# Altium PCB Portier.PcbDoc (continued)
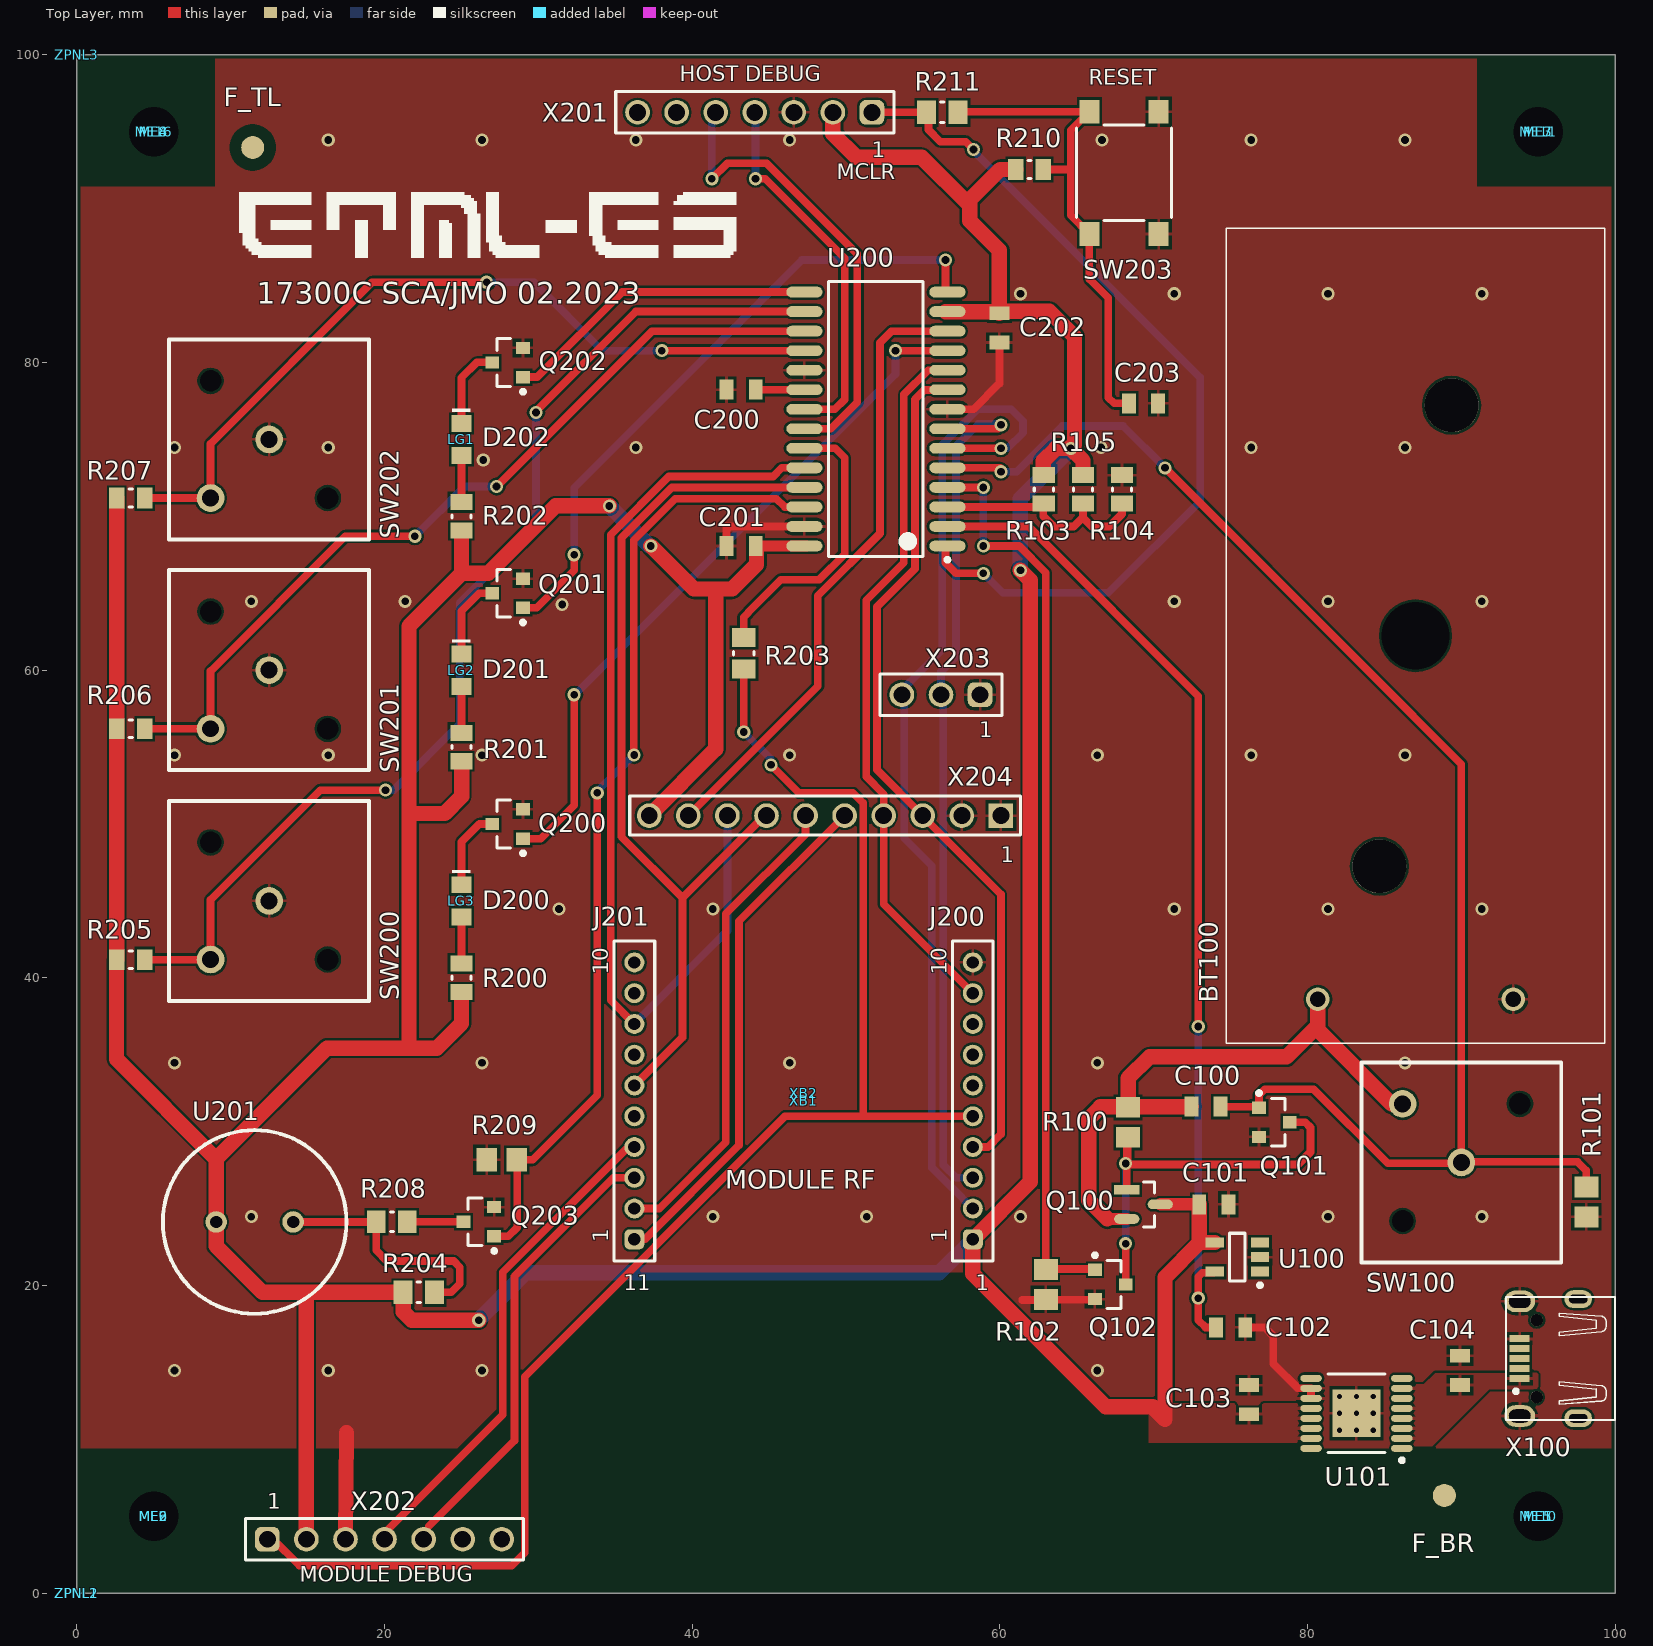
[diagram p0: Top Layer view]
## Footprints (in the part's own frame and the unit in brackets; to place one, negate y for a bottom-side part, rotate by r counter-clockwise, add the part's x,y. Pads: shape width x height; smd on the part's side, far side on the other; paste and mask are expansions set on the pad) (continued)
BUZZER [mm] "Buzzer d_12mm"
  round 1.4 hole 0.8: 1(-2.5,0) 2(2.5,0)
  silkscreen extent -5.97,-5.97 5.97,5.97, body extent -5.97,-5.71 5.97,5.71, height 6.5
DBV0005A_M [mm] "SOT23, 5-Leads, Body 3.05x1.75mm, Pitch 0.95mm, IPC Low Density"
  rect 1.2x0.65 smd: 1(-1.475,0.95) 2(-1.475,0) 3(-1.475,-0.95) 4(1.475,-0.95) 5(1.475,0.95)
  silkscreen extent -1.6,-1.55 0.5,1.95, body extent -1.42,-1.46 1.42,1.46, height 1.08
"FACE ARRIERE" [mm] "Panneau de face arriere"
  body extent 0,-100 100,0, height 9
"FACE AV DOOR" [mm] "Panel de face avant gravee (door)"
  body extent 0,0 100,100, height 15.9
"FACE AVANT BELL" [mm] "Panel de face avant gravee (door)"
  body extent 0,0 100,100, height 15.9
FID-150-300 [mm] "Fiducial 1.5/3.0"
  round 1.5 smd paste-100 mask+0.75: 1(0,0)
  Top Layer pour cut-out: 0,-1.5 -0.574,-1.386 -1.061,-1.061 -1.386,-0.574 -1.5,0 -1.5,0 -1.386,0.574 -1.061,1.061 -0.574,1.386 0,1.5 0,1.5 0.574,1.386 1.061,1.061 1.386,0.574 1.5,0 1.5,0 1.386,-0.574 1.061,-1.061 0.574,-1.386 0,-1.5
FP-527AG-IPC_A [mm]
  rect 1.636x0.625 smd paste+0 mask+0: 1(-1.09,0.95)
  rrect100% 1.636x0.625 smd paste+0 mask+0: 2(-1.09,-0.95) 3(1.09,0)
  silkscreen extent 0,-1.46 0.7,1.46, body extent -2.41,-1.96 2.41,1.96, height 0.25
INTR-IRLML2402TRPBF-3_V [mm] "SOT23, 3-Leads, Body 3.05x1.4mm, Pitch 0.95mm"
  rect 0.9x0.8 smd: 1(-1,0.95) 2(-1,-0.95) 3(1,0)
  silkscreen extent -1.12,-1.55 0.7,2.02, body extent -0.7,-1.52 0.7,1.53, height 1.11
"LIGHT GUIDE LFC050" [mm] "Light huide pour panneau"
  body extent -2.5,-2.63 2.5,2.37, height 17.27
"M3X06 SCREW HEIGHT_8" [mm] "M3x05 a h=8mm"
  body extent -2.8,-2.8 2.8,2.8, height 9
"M3X06 SCREW HEIGHT_16" [mm] "M3x05 a h=15.9mm"
  body extent -2.8,-2.8 2.8,2.8, height 15.9
M3X06_MF_971060365 [mm]
  body extent -3.46,-3 3.46,3, height 6
M3X14_FF_970140365 [mm]
  body extent -3.46,-3 3.46,3, height 14
MCHP-SOIC-SO28_M [mm] "SOIC, 28-Leads, Body 17.9x7.5mm, Pitch 1.27mm, IPC Low Density"
  oval 2.35x0.7 smd: 1(-4.65,8.255) 2(-4.65,6.985) 3(-4.65,5.715) 4(-4.65,4.445) 5(-4.65,3.175) 6(-4.65,1.905) 7(-4.65,0.635) 8(-4.65,-0.635) 9(-4.65,-1.905) 10(-4.65,-3.175) 11(-4.65,-4.445) 12(-4.65,-5.715) 13(-4.65,-6.985) 14(-4.65,-8.255) 15(4.65,-8.255) 16(4.65,-6.985) 17(4.65,-5.715) 18(4.65,-4.445) 19(4.65,-3.175) 20(4.65,-1.905) 21(4.65,-0.635) 22(4.65,0.635) 23(4.65,1.905) 24(4.65,3.175) 25(4.65,4.445) 26(4.65,5.715) 27(4.65,6.985) 28(4.65,8.255)
  silkscreen extent -4.78,-8.95 3.08,9.28, body extent -3.75,-8.95 3.75,8.95, height 2.65
MICRO_USB [mm] "WR-COM_USB_Micro Type B_Horizontal_SMT Micro Type B Horizontal SMT - 3A current at Pin1 & Pin 5 - with Pegs and THT shielding Pins  - T&R Packaging"
  rect 0.45x1.3 smd: 1(-1.3,0) 2(-0.65,0) 3(0,0) 4(0.65,0) 5(1.3,0)
  oval 1.4x2 hole 0.85 slot 1.4 at 90 deg: Z1(-3.725,0) Z2(3.725,0)
  oval 1.15x1.8 hole 0.55 slot 1.2 at 90 deg: Z4(-3.875,-3.8) Z4(3.875,-3.8)
  round 0.8 hole 0.8 unplated: ""(-2.5,-1.1) ""(2.5,-1.1)
  silkscreen extent -4,-6.2 4,0.9, body extent -4,-6.25 4,0.35, height 2.67
MODULESRXTX868MHZ_1623 [mm] "Header"
  body extent -12.7,-10.5 12.7,31.9, height 7.55
RESC2013X50X30ML20T20 [mm] "Chip Resistor, 2-Leads, Body 2.00x1.25mm, IPC Low Density"
  rect 1.25x1.55 smd: 1(-1.025,0) 2(1.025,0)
  silkscreen extent -0.1,-0.67 0.1,0.67, body extent -1.1,-0.72 1.1,0.72, height 0.5
RESC2013X50X30NL20T20 [mm] "Chip Resistor, 2-Leads, Body 2.00x1.25mm, IPC Medium Density"
  rect 1.05x1.45 smd: 1(-0.925,0) 2(0.925,0)
  silkscreen extent -0.1,-0.63 0.1,0.63, body extent -1.1,-0.72 1.1,0.72, height 0.5
RESC2013X60X35ML10T20 [mm] "Chip Resistor, 2-Leads, Body 2.1x1.35mm, IPC Low Density"
  rect 1.2x1.45 smd: 1(-1,0) 2(1,0)
  silkscreen extent -0.1,-0.63 0.1,0.63, body extent -1.05,-0.68 1.05,0.67, height 0.6
RESC2013X60X35NL10T20 [mm] "Chip Resistor, 2-Leads, Body 2.1x1.35mm, IPC Medium Density"
  rect 1x1.35 smd: 1(-0.9,0) 2(0.9,0)
  silkscreen extent -0.1,-0.58 0.1,0.58, body extent -1.05,-0.68 1.05,0.67, height 0.6
RESC2013X70X40ML20T20 [mm] "Chip Resistor, 2-Leads, Body 2.00x1.25mm, IPC Low Density"
  rect 1.35x1.55 smd: 1(-0.975,0) 2(0.975,0)
  body extent -1.1,-0.72 1.1,0.72, height 0.7
"Tact-sw 1241.1022" [mm]
  round 1.8 hole 1.1: 1(0,0) 2(-3.81,3.81)
  round 0 hole 1.4 unplated: 16(-3.81,-3.81) 16(3.81,3.81)
  silkscreen extent -6.5,-6.5 6.5,6.5, body extent -6.32,-6.32 6.32,6.32, height 17
TSOP65P640X110_HS-17N [mm] "TSOP, 16-Leads, Body 5.00x4.40mm, Pitch 0.65mm, Thermal Pad 3.10x3.10mm, IPC Medium Density"
  oval 1.4x0.45 smd: 1(-2.95,2.275) 2(-2.95,1.625) 3(-2.95,0.975) 4(-2.95,0.325) 5(-2.95,-0.325) 6(-2.95,-0.975) 7(-2.95,-1.625) 8(-2.95,-2.275) 9(2.95,-2.275) 10(2.95,-1.625) 11(2.95,-0.975) 12(2.95,-0.325) 13(2.95,0.325) 14(2.95,0.975) 15(2.95,1.625) 16(2.95,2.275)
  rect 3.1x3.1 smd: EP(0,0)
  silkscreen extent -3.08,-2.55 1.85,3.17, body extent -3.19,-2.55 3.19,2.55, height 1.1
WCAP-CSGP_0805_L2W1.25H0.8_Reflow [mm] "Ceramic Capacitors, body 2x1.25mm"
  rect 0.9x1.3 smd: 1(-0.95,0) 2(0.95,0)
  body extent -1,-0.62 1,0.63, height 0.8
WCAP-CSGP_0805_L2W1.25H1.25 [mm] "Ceramic Capacitors, body 2x1.25mm"
  rect 0.9x1.3 smd: 1(-0.95,0) 2(0.95,0)
  body extent -1,-0.63 1,0.63, height 1.25
WL-SMCW_0805_150080xx75000 [mm] "SMD Mono-color Chip LED, body 2.0x1.25mm"
  rect 1.1x1.3 smd: 1(-1.05,0) 2(1.05,0)
  silkscreen extent -2,-0.6 -1.8,0.6, body extent -1,-0.63 1,0.62, height 0.7
WS-TASV_L6W6H4.3_4301x20438x6 [mm] "SMD Tact Switch, body 6x6mm"
  rect 1.55x1.3 smd: A1(-3.975,2.25) A2(3.975,2.25) B1(-3.975,-2.25) B2(3.975,-2.25)
  silkscreen extent -3.1,-3.1 3.1,3.1, body extent -4.5,-3.1 4.5,3.1, height 4.3
Xbee_3D [mm] "3D d'un module Xbee"
  body extent -12.28,-17.25 12.22,10.65, height 8

## Part data
BT100: library part 2468, "Cylindrical Battery Contacts, Clips, Holders & Springs 2AAA PC MNT HOLDER", Manufacturer_Name="Keystone Electronics", Mouser Part Number=534-2468, Arrow Part Number=2468, Arrow Price/Stock=http://www.arrow.com/en/products/2468/keystone-electronics-corp, Datasheet Link=https://datasheet.datasheetarchive.com/originals/distributors/Datasheets-AE/DSA3AE00005.pdf, Manufacturer_Part_Number=2468, Mouser Price/Stock=https://www.mouser.co.uk/ProductDetail/Keystone-Electronics/2468?qs=3CbvriavsLAoISGi3MywrQ%3D%3D
C100 C101 C102 C201 C202 C203: library part 885012207098, "WCAP-CSGP Multilayer Ceramic Chip Capacitor, General Purpose, size 0805, X7R, 100nF, 50VDC", Capacitance Tolerance=+/-10%, Case/Size Code=0805, Insulation Resistance=5GΩ, Manufacturer="Wurth Elektronik", Operating Temperature Max=125°C, Operating Temperature Min=-55°C, Rated Voltage (DC)=50V, Capacitance=100nF, Category="Multilayer Ceramic Chip Capacitors", Ceramic Type=X7R, ComponentLink1Description="Website Link", ComponentLink1URL=https://www.we-online.com/redexpert/article/885012207098?ad, ComponentLink2Description="Datasheet Link", ComponentLink2URL=https://www.we-online.com/redexpert/spec/885012207098?ad, Dissipation Factor=2.5%, Height=0.8mm, Length=2mm, Manufacturer Part Number=885012207098, Match Code=WCAP-CSGP, Mount="Surface Mount", Packaging="Tape and Reel", Technical Reference=X7R0805104K050DFCT10000, Width=1.25mm
C103 C104: library part 885012207053, "WCAP-CSGP Multilayer Ceramic Chip Capacitor, General Purpose, size 0805, X7R, 4.7µF, 16VDC", Capacitance Tolerance=+/-10%, Case Code (Imperial)=0805, Case Code (Metric)=2012, Insulation Resistance=0.02GΩ, Manufacturer="Wurth Elektronik", Max Operating Temperature="85 degC", Min Operating Temperature="-55 degC", Operating Temperature Max=125°C, Operating Temperature Min=-55°C, PartNumber=GRM21BR61C475KA88L, Rated Voltage (DC)=16V, Tolerance=10%, Voltage Rating="16 V", Capacitance=4.7µF, Case/Size Code=0805, Category="Multilayer Ceramic Chip Capacitors", Ceramic Type=X7R, ComponentLink1Description="Website Link", ComponentLink1URL=https://www.we-online.com/redexpert/article/885012207053?ad, ComponentLink2Description="Datasheet Link", ComponentLink2URL=https://www.we-online.com/redexpert/spec/885012207053?ad, DatasheetVersion=03/2016, Dissipation Factor=10%, Height=1.25mm, Length=2mm, Manufacturer Part Number=885012207053, Match Code=WCAP-CSGP, Mount="Surface Mount", Mounting Technology="Surface Mount", PackageDescription="2-Pin Surface Mount Device, Body 2 x 1.25 mm", PackageReference=0805, Packaging="Tape and Reel", Technical Reference=X7R0805475K016DFCT10000, Voltage Rating (DC)="16 V", Width=1.25mm
C200: library part 885012107014, "WCAP-CSGP Multilayer Ceramic Chip Capacitor, General Purpose, size 0805, X5R, 10µF, 16VDC", Capacitance Tolerance=+/-20%, Case/Size Code=0805, Insulation Resistance=0.01GΩ, Manufacturer="Wurth Elektronik", Operating Temperature Max=85°C, Operating Temperature Min=-55°C, Rated Voltage (DC)=16V, Supplier Part Number 1=1813526, Capacitance=10µF, Category="Multilayer Ceramic Chip Capacitors", Ceramic Type=X5R, ComponentLink1Description="Website Link", ComponentLink1URL=https://www.we-online.com/redexpert/article/885012107014?ad, ComponentLink2Description="Datasheet Link", ComponentLink2URL=https://www.we-online.com/redexpert/spec/885012107014?ad, Dissipation Factor=10%, Height=1.25mm, Length=2mm, Manufacturer Part Number=885012107014, Match Code=WCAP-CSGP, Mount="Surface Mount", Packaging="Tape and Reel", Supplier 1=Rs, Technical Reference=X5R0805106M016DFCT10000, Width=1.25mm
D200 D201 D202: library part 150080VS75000, "WL-SMCW Mono-color Chip LED Waterclear, size 0805, Bright Green, 2V, 140°", Case/Size Code=0805, Emitting Color="Bright Green", Forward Voltage=2V, Manufacturer="Wurth Elektronik", Operating Temperature Max=85°C, Operating Temperature Min=-40°C, Supplier Part Number 1=732-4986-1-ND, Category="Signal LEDs", Chip Technology=AlInGaP, ComponentLink1Description="Website Link", ComponentLink1URL=https://www.we-online.com/redexpert/article/150080VS75000?ad, ComponentLink2Description="Datasheet Link", ComponentLink2URL=https://www.we-online.com/redexpert/spec/150080VS75000?ad, Dominant Wavelength=570nm, Height=0.7mm, Length=2mm, Luminous Intensity=40mcd, Manufacturer Part Number=150080VS75000, Match Code=WL-SMCW, Mount="Surface Mount", Packaging="Tape and Reel", Peak Wavelength=572nm, Supplier 1=Digi-Key, Supplier 2=Mouser, Supplier Part Number 2=710-150080VS75000, Viewing Angle=140°, Width=1.25mm
F_BR F_TL: library part CMP-063-000021-1, "FID 1.5/3.0", Category=Others, IsStocked=False, PN=PN-509779, SubCategory=Fiducials
J200 J201: "WR-PHD Socket Header, THT, Vertical, pitch 2mm, 1 Row, 10P", Contact Resistance=20mΩ, Manufacturer="Wurth Elektronik", Operating Temperature Max=105°C, Operating Temperature Min=-40°C, Rated Current=2A, Withstanding Voltage=500V, Working Voltage=250V, Category="Board-to-Board Connectors", ComponentLink1Description="Website Link", ComponentLink1URL=https://www.we-online.com/redexpert/article/62001011821?ad, ComponentLink2Description="Datasheet Link", ComponentLink2URL=https://www.we-online.com/redexpert/spec/62001011821?ad, Gender="Socket Header", Manufacturer Part Number=62001011821, Match Code=WR-PHD, Mount="Through Hole", Number of Pins=10, Number of Rows=1, Orientation=Vertical, Packaging=Tube, Pitch=2mm
LG1 LG2 LG3: library part "LightPipe LFC050CTP", "Light Guide pour panneau pour Leds"
ME1 ME2 ME3 ME4: "Hexagonal Plastic Spacer Stud, M3x14 F-F", Manufacturer="Wurth Elektronik", Manufacturer Part Number=970140365, Inner Thread=M3, Inner Thread Length=14, Length=14, Wrench=6
ME5 ME6 ME7 ME8: "Hexagonal Plastic Spacer Stud, M3x06 M-F", Manufacturer="Wurth Elektronik", Manufacturer Part Number=971060365, Inner Thread=M3, Inner Thread Length=3, Length=5, Outer Thread=M3, Outer Thread Length=8, Wrench=6
ME9 ME10 ME11 ME12 ME13 ME14 ME15 ME16: library part "M3x06 Countersunk", "M3x06 Coutersunk screw"
MP1: library part 9774030360, "WA-SMSI SMT Steel Spacer with internal Thread, OD 6mm, M3 x 3mm", Manufacturer="Wurth Elektronik", Operating Temperature Max=150°C, Operating Temperature Min=-55°C, Category="SMT Spacers", ComponentLink1Description="Website Link", ComponentLink1URL=https://www.we-online.com/redexpert/article/9774030360?ad, ComponentLink2Description="Datasheet Link", ComponentLink2URL=https://www.we-online.com/redexpert/spec/9774030360?ad, Height=3mm, Inside Diameter=4.2mm, Manufacturer Part Number=9774030360, Match Code=WA-SMSI, Material=Steel, Mount="Surface Mount", Outside Diameter=6mm, Packaging=Bulk, Surface=Tin, Thread Size=M3
Q100: library part CMP-07173-000103-1, "MOSFET P-CH 20V 1.3A SSOT3", Case/Package=TO-236-3, Continuous Drain Current (ID)=1.3A, Current Rating=-1.3A, Drain to Source Breakdown Voltage=-20V, Drain to Source Resistance=200mR, Drain to Source Voltage (Vdss)=20V, Gate to Source Voltage (Vgs)=8V, Input Capacitance=330pF, Max Operating Temperature=150°C, Max Power Dissipation=500mW, Min Operating Temperature=-55°C, Package Quantity=1, Threshold Voltage=-900mV, Contact Plating=Tin, Dual Supply Voltage=-20V, Element Configuration=Single, Fall Time=12ns, Height=0.94mm, Lead Free="Lead Free", Length=2.92mm, Mount="Surface Mount", Nominal Vgs=-900mV, Number of Elements=1, Number of Pins=3, On-State Resistance=200mR, Packaging="Tape and Reel", Power Dissipation=500mW, Radiation Hardening=No, Rds On Max=200mR, REACH SVHC="No SVHC", Rise Time=12ns, Termination=SMD/SMT, Turn-Off Delay Time=16ns, Turn-On Delay Time=7ns, Voltage Rating (DC)=-20V, Weight=0.03g, Width=1.4mm
Q101 Q102 Q200 Q201 Q202 Q203: library part CMP-2000-05155-1, "HEXFET(R) Power MOSFET, N-Channel, 20 V, 1.2 A, 3-Pin SOT-23, RoHS, Tape and Reel", Manufacturer="Infineon Technologies", PackageCase=SOT-23, PartNumber=IRLML2402TRBF, Supplier="Digi-key,Stock ES", Supplier min. qty=1, Supplier PN=IRLML2402PBFCT-ND, Supplier unit price=0.34
R100 R101 R102 R209: library part CMP-2001-04377-1, "100 kOhms ±1% 0.125W, 1/8W Chip Resistor 0805 (2012 Metric) Automotive AEC-Q200 Thick Film", Manufacturer=Panasonic, Part Number=ERJ-6ENF1003V
R103 R104 R105: library part CMP-2001-03688-1, Manufacturer="Vishay Dale", Part Number=CRCW080522K0FKEA
R200 R201 R202: library part CMP-2001-04102-1, "750 ohm, 0.125W, 1%., 0805", Manufacturer="Vishay Dale", Part Number=CRCW0805750KFKEA
R203 R204 R211: library part CMP-1013-00510-2, Manufacturer="Vishay Dale", Part Number=CRCW08051K00FKEA
R205 R206 R207 R210: library part CMP-1659-00013-4, "Chip Resistor, 10 KOhm, +/- 1%, 0.125 W, -55 to 155 degC, 0805 (2012 Metric), RoHS, Tape and Reel", PackageCase=0805, Voltage Rating="150 V", Supplier="Stock ES"
R208: library part CMP-2000-06963-1, "Chip Resistor, 0 Ohm, +/- 5%, 125 mW, -55 to 155 degC, 0805 (2012 Metric), RoHS, Tape and Reel", Case Style=Molded, Manufacturer=Yageo, Operating Temp Range=-55Cto155C, Package / Case=0805, Package Description="2-Pin Surface Mounted Device, Body 2 x 1.25 mm", Power Rating(s)=NotRequiredW, Temperature Coefficient=NotRequired, Construction=Rectangular, Datasheet URL=http://www.yageo.com/documents/recent/PYu-RC_Group_51_RoHS_L_7.pdf, Datasheet Version="Rev. 7, 05/2017", Failure Rate=NotRequired, Manufacturer URL=http://www.yageo.com/, Military Standard=NotRequired, Mounting Technology=SurfaceMount, Package Reference=0805, Packaging=TapeandReel, Product Depth (mm)=1.25mm, Product Height (mm)=0.5mm, Product Length (mm)=2mm, Termination Style=NotRequired, Tolerance (+ or -)=NotRequired, Type=ThickFilm
SW203: "WS-TASV SMT Tact Switch, L6 x W6 x H4.3mm, 160g, SPST-NO, 12V, 50mA", Manufacturer="Wurth Elektronik", Operating Temperature Max=85°C, Operating Temperature Min=-40°C, Rated Current=50mA, Rated Voltage (DC)=12V, Category="Tact Switches", Circuit=SPST-NO, ComponentLink1Description="Website Link", ComponentLink1URL=https://www.we-online.com/redexpert/article/430182043816?ad, ComponentLink2Description="Datasheet Link", ComponentLink2URL=https://www.we-online.com/redexpert/spec/430182043816?ad, Contact Material="Stainless Steel", Contact Plating=Silver, Height=4.3mm, Length=6mm, Manufacturer Part Number=430182043816, Match Code=WS-TASV, Mount="Surface Mount", Operation Force=160g, Packaging="Tape and Reel", Terminal Material="Copper Alloy", Terminal Plating=Silver, Washable=No, Width=6mm
U100: library part CMP-0074-00337-3, "Precision Micropower Low Dropout Voltage Reference, 5-pin SOT-23, Pb-Free", Manufacturer="Texas Instruments", PackageTopMarking=R80B*XTT, PowerWise=Y, ComponentLink1Description=Datasheet, ComponentLink1URL=http://www.ti.com/general/docs/lit/getliterature.tsp?genericPartNumber=LM4125&fileType=pdf, CompType="Voltage Reference IC", DatasheetVersion=Nov-2003, PackageDescription="Molded SOT-23, .115 x .063 x .040 in Body, 5 Lead, .0375 in Pitch", PackageReference=DBV0005A, PackageVersion="revD, Aug-2008", PinCount=5, RevisionNote="Component URLs added", RoHS=Y
U101: "IC REG LINEAR POS ADJ 1A 16TSSOP", Manufacturer="Maxim Integrated", Supplier="Stock ES"
U200: library part CMP-0048-00454-1, "32-bit Microcontroller with Audio and Graphics Interface, USB and Advanced Analog, 40 MHz, 21 I/O, PMP, -40 to 85 degC, 28-pin SOIC (SO28), Tube", Manufacturer=Microchip, ComponentLink1Description="Manufacturer URL", ComponentLink1URL=http://www.microchip.com, ComponentLink2Description=Datasheet, ComponentLink2URL=http://ww1.microchip.com/downloads/en/DeviceDoc/61168E.pdf, ComponentLink3Description="Package Specification", ComponentLink3URL=http://www.microchip.com/stellent/groups/techpub_sg/documents/packagingspec/en012702.pdf, ComponentLink4Description="Product URL", ComponentLink4URL=http://www.microchip.com/PIC32MX130F064B, DatasheetVersion="Rev. E", Mounting Technology="Surface Mount", PackageDescription="28-Lead Plastic Small Outline, 17.9 x 7.5 mm Body, 1.27 mm Pitch", PackageReference=SOIC-SO28, PackageVersion=C04-052C, PartNumber=PIC32MX130F064B-I/SO, Supplier=Digi-key, Supplier PN=PIC32MX130F064B-I/SO-ND
U201: library part BZR, "Buzzer 12mm piezo", Manufacturer="TDK Corporation", PartNumber=PS1240P02BT, Supplier=Digi-key, Supplier min. qty=1, Supplier PN=445-2525-1-ND, Supplier unit price=0.67
X100: library part "WR-Communication Connectors 629105150521", "WR-COM_USB_Micro Type B_Horizontal_SMT", Manufacturer="Würth Elektronik eiSos GmbH", PartNumber=629105150521, Supplier Part Number 1=732-5960-1-ND, Voltage Rating=5V, Supplier=Digi-key, Supplier 1=Digi-Key, Supplier min. qty=1, Supplier PN=732-5960-1-ND, Supplier unit price=2.03
X201 X202: "WR-PHD Pin Header, THT, Vertical, pitch 2.54mm, 1 Row, 7P", Contact Resistance=20mΩ, Manufacturer="Wurth Elektronik", Operating Temperature Max=105°C, Operating Temperature Min=-40°C, Rated Current=3A, Withstanding Voltage=500V, Working Voltage=250V, Category="Board-to-Board Connectors", ComponentLink1Description="Website Link", ComponentLink1URL=https://www.we-online.com/redexpert/article/61300711121?ad, ComponentLink2Description="Datasheet Link", ComponentLink2URL=https://www.we-online.com/redexpert/spec/61300711121?ad, Gender="Pin Header", Manufacturer Part Number=61300711121, Match Code=WR-PHD, Mount="Through Hole", Number of Pins=7, Number of Rows=1, Orientation=Vertical, Packaging=Bag, Pitch=2.54mm
X203: "WR-PHD Pin Header, THT, Vertical, pitch 2.54mm, 1 Row, 3P", Contact Resistance=20mΩ, Manufacturer="Wurth Elektronik", Operating Temperature Max=105°C, Operating Temperature Min=-40°C, Rated Current=3A, Withstanding Voltage=500V, Working Voltage=250V, Category="Board-to-Board Connectors", ComponentLink1Description="Website Link", ComponentLink1URL=https://www.we-online.com/redexpert/article/61300311121?ad, ComponentLink2Description="Datasheet Link", ComponentLink2URL=https://www.we-online.com/redexpert/spec/61300311121?ad, Gender="Pin Header", Manufacturer Part Number=61300311121, Match Code=WR-PHD, Mount="Through Hole", Number of Pins=3, Number of Rows=1, Orientation=Vertical, Packaging=Bag, Pitch=2.54mm
X204: "WR-PHD Pin Header, THT, Vertical, pitch 2.54mm, 1 Row, 10P", Contact Resistance=20mΩ, Manufacturer="Wurth Elektronik", Operating Temperature Max=105°C, Operating Temperature Min=-40°C, Rated Current=3A, Withstanding Voltage=500V, Working Voltage=250V, Category="Board-to-Board Connectors", ComponentLink1Description="Website Link", ComponentLink1URL=https://www.we-online.com/redexpert/article/61301011121?ad, ComponentLink2Description="Datasheet Link", ComponentLink2URL=https://www.we-online.com/redexpert/spec/61301011121?ad, Gender="Pin Header", Manufacturer Part Number=61301011121, Match Code=WR-PHD, Mount="Through Hole", Number of Pins=10, Number of Rows=1, Orientation=Vertical, Packaging=Bag, Pitch=2.54mm
XB1: library part ModulesRxTx868MHz_Empty, "2x Header 2x10 2mm / compatible xBee - sans connexion, avec footprint", PackageCase=XBee, Supplier=Digi-key, Supplier min. qty=1, Supplier PN="2x 3M156413-10-ND", Supplier unit price="2x 0.74"
XB2: "Module Xbee 3D pour BOM et représentation 3D"
ZPNL1: library part "Panel Face Avant (Door)", "Panneau de face avant de porte (Portier electronique)"
ZPNL2: library part "Panel Face Avant (Bell)", "Panneau de face avant de porte (Portier electronique)"
ZPNL3: library part "Panel Face Arriere", "Panneau de face arriere de porte (Portier electronique)"

## Free pads (board coordinates)
  round 1 hole 3.2 unplated: 2(5,5) 3(95,5) 4(95,95) 5(5,95)

## Via types
v1: diameter 0.85, hole 0.5, Top Layer to Bottom Layer, tented both sides, 84 vias
v2: diameter 0.65, hole 0.35, Top Layer to Bottom Layer, tented both sides, 9 vias

## Nets (pads, with @x,y where several pads share a name; then routed paths per layer and width w, separated by ;. In a path a pad name is that pad's centre, name@x,y a point inside that pad or via, vN(x,y) a via of type N, cw(c..) or ccw(c..) an arc to the next point about the centre after c; other vN are vias at no path point)
+VBAT: BT100.1 C100.2 Q100.2 R100.2 SW100.2 | length 40.4
  Top Layer w0.8: 66.99,24.323 Q100.2@68.242,24.323
  Top Layer w1: 66.99,24.323 65.786,25.527 65.786,30.861 66.532,31.607 R100.2@68.326,31.607 ; C100.2 68.342,31.623 68.342,33.477 69.731,34.866 78.636,34.866 80.672,36.902 ; BT100.1 80.672,36.902 ; SW100.2 85.465,31.81 80.672,36.603 80.672,36.902
/MCLR: R211.2 U200.1 X201.1 | length 58.5
  Top Layer w0.5: X201.1 55.361,96.266 55.361,95.134 56.134,94.361 57.785,94.361 v1(58.293,93.853) ; U200.1@56.468,68.072 56.468,66.976 57.15,66.294 v1(58.928,66.294)
  Bottom Layer w0.5: v1(58.293,93.853) 58.44,94 58.44,93.608 73.025,79.023 73.025,70.993 67.056,65.024 60.198,65.024 v1(58.928,66.294)
/MCLR(M): R203.2 U200.23 | length 18.6
  Top Layer w0.5: R203.2@43.355,62.1 43.355,63.45 43.643,63.738 43.643,63.754 45.769,65.879 48.244,65.879 49.911,67.546 49.911,73.817 49.306,74.422 U200.23@47.418,74.422
BZZR: Q203.1 R209.2 U200.26 | length 62.8
  Top Layer w0.5: Q203.1 28.046,23.196 28.62,23.77 R209.2@28.62,28.294 ; R209.2@28.62,28.169 29.64,28.169 30.093,28.622 33.829,32.358 v1(33.829,52.028) ; v1(36.226,54.483) 36.195,54.514 36.195,68.453 38.89,71.148 45.473,71.148 46.009,70.612 U200.26
  Bottom Layer w0.5: v1(33.829,52.028) 33.829,52.117 36.195,54.483 v1(36.226,54.483)
CD(M): J200.4 U200.9 X204.3 | length 56.5
  Top Layer w0.5: U200.9@56.468,78.232 56.449,78.213 55.096,78.213 54.483,77.6 54.483,66.584 52.014,64.115 52.014,53.523 X204.3 54.991,50.514 60.071,45.434 60.071,29.836 59.235,29 J200.4
Connect(M): J201.8 U200.24 X204.8 | length 62.9
  Top Layer w0.5: J201.8 34.698,38.546 34.698,68.813 38.478,72.593 45.275,72.593 45.835,73.152 U200.24
  Bottom Layer w0.5: J201.8 42.291,43.047 X204.8
GND: BT100.2 C101.1 C102.1 C103.1 C104.1 C200.2 C201.1 C202.1 C203.1 J200.10 Q101.2 Q102.2 Q200.2 Q201.2 Q202.2 Q203.2 R101.1 R102.1 R104.1 R209.1 SW200.1 SW201.1 SW202.1 SW203.B1 SW203.B2 U100.2 U101.10 U101.11 U101.EP U200.8 U200.19 U200.27 X100.5 X100.Z1 X100.Z2 X201.3 X202.3 X203.1 X204.1 X204.2 | length 32.7
  Top Layer w0.5: C201.1 42.23,69.342 U200.27@47.418,69.342 ; U200.8@56.468,76.962 58.293,76.962 59.973,78.642 C202.1 ; 61.468,19.05 62.754,19.05 62.881,19.177 62.992,19.066 66.133,19.066 Q102.2 ; SW203.B1 SW203.B1@70.342,88.334 ; C101.1@74.914,25.273 C101.1@74.989,25.273 ; C102.1 77.216,17.272 77.775,16.713 77.775,14.981 ; 77.775,14.92 79.386,13.309 U101.10 U101.11
  Top Layer w1: X202.3 17.526,10.414
  other v1: 6.34,14.473 16.34,14.473 26.34,14.473 66.34,14.473 11.34,24.473 41.34,24.473 51.34,24.473 61.34,24.473 81.34,24.473 91.34,24.473 6.34,34.473 26.34,34.473 46.34,34.473 66.34,34.473 86.34,34.473 31.34,44.473 41.34,44.473 71.34,44.473 81.34,44.473 91.34,44.473 6.34,54.473 16.34,54.473 26.34,54.473 46.34,54.473 66.34,54.473 76.34,54.473 86.34,54.473 31.546,64.267 11.34,64.473 21.34,64.473 71.34,64.473 81.34,64.473 91.34,64.473 26.416,73.66 6.34,74.473 16.34,74.473 36.34,74.473 66.58,74.473 76.34,74.473 86.34,74.473 61.34,84.473 71.34,84.473 81.34,84.473 91.34,84.473 16.34,94.473 26.34,94.473 36.34,94.473 46.34,94.473 66.648,94.473 76.34,94.473 86.34,94.473
  other v2: 82.085,10.584 83.185,10.584 84.285,10.584 82.085,11.684 83.185,11.684 84.285,11.684 82.085,12.784 83.185,12.784 84.285,12.784
GPIO1(M): J201.1 X204.5 | length 33.6
  Top Layer w0.5: J201.1 36.933,23 43.039,29.106 43.039,43.674 X204.5
GPIO2(M): J201.2 X204.6 | length 31.1
  Top Layer w0.5: J201.2 37.857,25 42.18,29.323 42.18,44.156 47.371,49.347 X204.6
LED1: Q200.1 U200.11 | length 45.6
  Top Layer w0.5: Q200.1@29.127,49.05 30.163,49.05 32.326,51.213 v1(32.326,58.404) ; v1(53.213,80.772) U200.11@56.468,80.772
  Bottom Layer w0.5: v1(32.326,58.404) 32.375,58.404 53.213,79.242 v1(53.213,80.772)
LED2: Q201.1 U200.14 | length 42.1
  Top Layer w0.5: Q201.1 29.885,64.05 32.326,66.491 v1(32.326,67.503) ; U200.14@56.468,84.582 v1(56.468,86.661)
  Bottom Layer w0.5: v1(32.326,67.503) 32.326,71.857 47.13,86.661 v1(56.468,86.661)
LED3: Q202.1 U200.15 | length 20.7
  Top Layer w0.5: Q202.1@29,79.06 29.936,79.06 35.458,84.582 U200.15 U200.15@47.418,84.582
LINK(M): J201.6 U200.25 X204.7 | length 59.6
  Top Layer w0.5: J201.6 39.37,36.126 39.37,45.212 ; X204.7 44.704,50.546 39.37,45.212 ; U200.25@47.418,71.882 38.688,71.882 35.4,68.594 35.4,49.182 39.37,45.212
NetC100_1: C100.1 Q101.1 R101.2 SW100.1 U200.5 | length 98
  Top Layer w0.5: U200.5@56.468,73.152 60.016,73.152 60.071,73.097 v1(60.071,72.898) ; v1(70.739,73.152) 83.805,60.086 90,53.891 SW100.1 ; C100.1@74.481,31.623 76.785,31.623 Q101.1 76.851,32.401 77.216,32.766 80.391,32.766 85.217,27.94 89.94,27.94 SW100.1 ; R101.2@98.133,26.435 98.133,27.47 97.552,28.051 96.408,28.051 90.051,28.051 SW100.1
  Bottom Layer w0.5: v1(60.071,72.898) 61.089,72.898 64.062,75.871 68.02,75.871 v1(70.739,73.152)
NetC102_2: C102.2 U100.5 U200.2 | length 65.5
  Top Layer w0.5: U200.2@56.468,69.342 61.87,69.342 72.898,58.314 v1(72.898,36.83) ; U100.5 73.897,20.828 73.152,20.828 72.898,20.574 v1(72.898,19.177) 72.898,17.748 73.374,17.272 C102.2
  Bottom Layer w0.5: v1(72.898,19.177) v1(72.898,36.83)
NetC200_1: C200.1 U200.20 | length 3.5
  Top Layer w0.5: C200.1@44.06,78.213 44.06,78.232 47.418,78.232 U200.20
NetC203_2: C203.2 R210.2 R211.1 SW203.A1 SW203.A2 | length 32.1
  Top Layer w0.5: R211.1@57.161,96.266 57.199,96.304 SW203.A2 64.611,95.093 64.611,92.547 ; R210.2 64.611,92.547 ; C203.2 67.437,77.343 67.056,77.724 67.056,84.201 65.822,85.435 SW203.A1 64.611,89.565 64.611,92.547
NetD200_1: D200.1 Q200.3 | length 5.1
  Top Layer w0.5: D200.1@25,46.209 25,48.831 26.169,50 Q200.3
NetD200_2: D200.2 R200.2 | length 2.7
  Top Layer w0.15: R200.2@25,41.198 R200.2@25.019,41.179
  Top Layer w0.5: R200.2@25,41.198 D200.2@25,43.858
NetD201_1: D201.1 Q201.3 | length 5
  Top Layer w0.5: D201.1 25,63.831 26.169,65 Q201.3@26.769,65
NetD201_2: D201.2 R201.2 | length 3
  Top Layer w0.5: R201.2@25,55.95 D201.2
NetD202_1: D202.1 Q202.3 | length 5.4
  Top Layer w0.5: D202.1 25,79 26.01,80.01 Q202.3@27,80.01
NetD202_2: D202.2 R202.1 | length 3
  Top Layer w0.5: R202.1@25,70.95 D202.2
NetJ200_5: J200.5 R203.1 X202.1 | length 100.2
  Top Layer w0.5: X202.1@12.717,3.662 12.717,3.539 14.478,1.778 28.267,1.778 29.106,2.617 29.106,14.069 46.036,31 51.116,31 ; v1(43.355,55.978) 43.355,60.1 43.465,60.1 R203.1@43.815,59.75 ; v1(45.119,53.848) 46.939,52.028 50.448,52.028 51.116,51.36 51.116,31 ; J200.5 51.116,31
  Bottom Layer w0.5: v1(43.355,55.978) 45.1,54.233 45.1,53.867 v1(45.119,53.848)
NetQ100_1: Q100.1 Q101.3 Q102.3 R100.1 | length 28.4
  Top Layer w0.5: Q102.3 v1(68.183,22.717) ; Q100.1@68.242,26.223 68.242,27.865 v1(68.183,27.924) 68.242,27.983 68.242,29.523 68.326,29.607 68.326,27.865 79.387,27.865 80.199,28.677 80.199,30.269 79.861,30.607 Q101.3
  Bottom Layer w0.5: v1(68.183,22.717) v1(68.183,27.924)
NetQ102_1: Q102.1 R102.2 U200.4 | length 59.5
  Top Layer w0.5: U200.4@56.468,71.882 v1(58.928,71.882) ; v1(58.928,68.072) 61.25,68.072 62.992,66.33 62.992,39.971 62.992,26.475 62.992,21.066 66.133,21.066 Q102.1
  Bottom Layer w0.5: v1(58.928,68.072) v1(58.928,71.882)
NetQ203_3: Q203.3 R208.1 | length 3.6
  Top Layer w0.5: R208.1 Q203.3
NetR103_1: R103.1 R104.2 R105.1 U200.3 | length 14.6
  Top Layer w0.5: U200.3@56.468,70.612 62.592,70.612 R103.1@62.647,70.666 ; R103.1@62.823,70.793 62.823,70.612 62.823,70.022 63.503,69.342 64.806,69.342 65.278,69.814 ; R105.1 65.405,69.908 65.975,69.339 67.131,69.339 67.945,70.153 R104.2
NetR204_1: R204.1 R208.2 U201.2 | length 16.1
  Top Layer w0.5: U201.2 19.459,24.13 19.459,22.285 20.154,21.59 24.491,21.59 24.899,21.182 24.899,20.11 24.346,19.558 R204.1@23.225,19.558
PGEC1(M): J201.3 X202.5 | length 29
  Top Layer w0.5: 22.878,4.337 28.446,9.906 28.446,20.58 34.866,27 J201.3
PGEC2: U200.22 X201.5 | length 30.4
  Top Layer w0.5: v1(41.281,91.948) 42.297,92.964 44.831,92.964 50.739,87.056 50.739,77.413 49.018,75.692 U200.22@47.418,75.692
  Bottom Layer w0.5: v1(41.281,91.948) 41.281,96.018 X201.5
PGED1(M): J201.4 X202.4 | length 32
  Top Layer w0.5: X202.4@20.041,3.959 27.686,11.604 27.686,20.846 35.84,29 J201.4
PGED2: U200.21 X201.4 | length 24.2
  Top Layer w0.5: v1(44.122,91.948) 44.749,91.948 49.911,86.786 49.911,77.597 49.276,76.962 U200.21@47.418,76.962
  Bottom Layer w0.5: X201.4 44.122,96.213 v1(44.122,91.948)
RA4: U200.12 X204.9 | length 40.5
  Top Layer w0.5: X204.9 48.168,58.963 48.168,64.841 52.212,68.885 52.212,81.295 52.959,82.042 U200.12@56.468,82.042
SLEEP(M): J200.9 U200.10 X204.4 | length 46.2
  Top Layer w0.5: U200.10@56.468,79.502 55.345,79.502 53.763,77.92 53.763,66.997 51.308,64.542 51.308,53.086 52.451,51.943 X204.4 52.451,44.793 J200.9
SW1: R205.1 SW200.2 U200.16 | length 71.7
  Top Layer w0.5: R205.1 8.679,41.179 SW200.2 8.69,45.068 15.825,52.204 v1(20.066,52.204) ; v1(29.845,76.75) 29.845,76.835 36.322,83.312 U200.16@47.418,83.312
  Bottom Layer w0.5: v1(20.066,52.204) 20.581,52.204 24.892,56.515 24.892,64.389 29.845,69.342 v1(29.845,76.75)
SW2: R206.1 SW201.2 U200.17 | length 55.9
  Top Layer w0.5: R206.1 SW201.2 8.69,59.943 17.454,68.707 v1(21.971,68.707) ; v1(27.284,71.939) 37.387,82.042 U200.17@47.418,82.042
  Bottom Layer w0.5: v1(21.971,68.707) 25.203,71.939 v1(27.284,71.939)
SW3: R207.1 SW202.2 U200.18 | length 52.7
  Top Layer w0.5: R207.1 8.313,71.19 SW202.2 8.69,74.72 19.187,85.217 v1(26.641,85.217) ; v1(38.031,80.772) 47.412,80.772 47.418,80.778 U200.18@47.418,80.772
  Bottom Layer w0.5: v1(26.641,85.217) 29.718,85.217 34.163,80.772 v1(38.031,80.772)
UART_RX: J200.2 U200.6 X203.3 | length 65.4
  Top Layer w0.5: U200.6@56.468,74.422 v1(60.071,74.422)
  Bottom Layer w0.5: J200.2 56.895,26.349 56.894,26.349 55.575,27.667 55.575,47.295 53.791,49.079 53.791,50.048 53.79,50.049 53.79,51.043 53.791,51.044 53.791,58.247 X203.3 53.634,58.714 54.824,59.904 56.174,61.254 56.257,61.337 56.257,74.65 58.569,76.962 60.737,76.962 61.51,76.189 61.51,75.447 60.485,74.422 v1(60.071,74.422)
UART_TX: J200.3 U200.7 X203.2 | length 56.7
  Top Layer w0.5: U200.7@56.468,75.692 59.892,75.692 v1@60.071,75.871
  Bottom Layer w0.5: J200.3 57.163,27 56.33,27.833 56.33,58.248 X203.2 56.174,59.91 57.15,60.886 57.15,74.549 58.601,76 59.942,76 v1@60.071,75.871
  other v1: 60.071,75.946
VCC: C101.2 C103.2 C201.2 C202.2 J200.1 Q100.3 R103.2 R105.2 R200.1 R201.1 R202.2 R204.2 R205.2 R206.2 R207.2 R210.1 U100.4 U101.12 U101.13 U101.14 U101.15 U200.13 U200.28 U201.1 X201.2 X202.2 X204.10 | length 365
  Top Layer w0.7: C201.2@44.255,68.072 U200.28@47.418,68.072
  Top Layer w0.8: Q100.3@70.442,25.273 C101.2@72.839,25.273
  Top Layer w1: R205.2@2.578,41.179 2.578,34.713 9.057,28.234 ; R205.2 R206.2 R207.2 ; X202.2@14.92,4 14.92,19.558 ; R200.1@25,39.05 25,37.033 23.4,35.433 21.59,35.433 ; R202.2@25,69.05 25,66.313 ; R201.1@25.019,53.84 25.019,51.788 23.915,50.684 21.828,50.684 21.59,50.446 ; v1(26.123,17.74) 21.757,17.74 21.225,18.272 21.225,19.558 14.92,19.558 ; v1(34.614,70.678) 31.113,70.678 26.748,66.313 25,66.313 ; X204.10@37.311,50.446 X204.10 41.53,54.865 41.53,65.236 41.572,65.278 ; v1(37.311,68.072) 40.105,65.278 41.572,65.278 ; C201.2@44.18,68.072 44.18,66.86 42.598,65.278 41.572,65.278 ; X201.2 49.149,94.869 50.673,93.345 54.922,93.345 58.039,90.228 ; U200.13@56.468,83.312 C202.2@59.437,83.312 ; C202.2 59.973,87.288 58.039,89.222 58.039,90.563 60.023,92.547 R210.1 ; C202.2@60.023,83.328 63.23,83.328 64.855,81.703 64.855,74.666 v1(64.611,74.422) ; v1(61.34,66.486) 61.976,65.85 61.976,26.732 J200.1 58.244,20.758 66.893,12.109 69.931,12.109 70.739,11.301 70.739,20.523 72.964,22.748 ; R103.2@62.823,72.882 62.823,73.602 63.643,74.422 v1(64.611,74.422) ; R105.2 65.405,73.628 v1(64.611,74.422) ; C101.2 72.964,22.748 ; U100.4 73.01,22.794 72.964,22.748 ; 9.057,28.234 16.256,35.433 21.59,35.433 ; 9.057,28.234 U201.1 9.057,22.566 12.065,19.558 14.92,19.558 ; 21.59,35.433 21.59,50.446 ; 21.59,50.446 21.59,62.865 25.019,66.294 25,66.313
  Bottom Layer w1: v1(26.123,17.74) 29.211,20.828 56.072,20.828 J200.1 ; v1(34.614,70.678) v1@37.22,68.072 ; v1(61.34,66.486) 61.34,71.151 v1(64.611,74.422)
VUSB: C104.2 U101.2 U101.3 U101.4 U101.5 U101.7 X100.1
pads on no net: BT100.3 BT100.4 F_BR.1 F_TL.1 J200.6 J200.7 J200.8 J201.5 J201.7 J201.9 J201.10 MP1.1 SW100.16 SW200.16 SW201.16 SW202.16 U100.1 U100.3 U101.1 U101.6 U101.8 U101.9 U101.16 X100. X100.2 X100.3 X100.4 X100.Z4 X201.6 X201.7 X202.6 X202.7

## Polygon pours and split planes (outlines as drawn)
GND on Top Layer "GND" (solid, remove dead copper, pour order 4): 100.32,9.425 90.99,9.425 69.687,9.425 58.24,20.872 36.185,20.872 24.738,9.425 8.99,9.425 -0.01,9.425 -0.01,91.425 8.99,91.425 8.99,100.755 90.99,100.755 90.99,91.425 100.32,91.425
VUSB on Top Layer "Top Layer-No Net" (solid, pour order 2): 85.09,9.555 88.105,9.555 91.808,13.258 95,13.258 95,14.316 88.3,14.309 87.568,13.577 85.09,13.577
VCC on Top Layer "Top Layer-VCC" (solid, pour order 0): 81.026,9.766 81.026,12.343 69.697,12.343 69.697,9.766
GND on Bottom Layer "GND" (solid, remove dead copper, pour order 6): 100.33,9.018 91,9.018 69.697,9.018 58.25,20.465 36.195,20.465 24.748,9.018 9,9.018 0,9.018 0,91.018 9,91.018 9,100.348 91,100.348 91,91.018 100.33,91.018

## Silkscreen, mask and mechanical layers (free items; w line width, h text height)
Top Overlay:
  drawing of 12 lines, arcs and shapes, not listed
  text "HOST DEBUG" at 39.207,98.298 h1
  text "RESET" at 65.786,98.044 h1
  text "MCLR" at 49.403,91.914 h1
  text "17300C SCA/JMO 02.2023" at 11.684,83.82 h1.4
  text "1" at 58.674,55.626 h1
  text "1" at 60.071,47.498 h1
  text "MODULE RF" at 42.164,26.289 h1.2
  text "11" at 35.56,19.685 h1
  text "1" at 58.42,19.685 h1
  text "MODULE DEBUG" at 14.5,0.75 h1
Board Outline (ES):
  the board outline again, w0.254

## Dimensions
25,74.5 to 0,100 on Top Dims
12.5,60 to 12.5,75 on Top Dims
12.5,45 to 12.5,60 on Top Dims
0,0 to 12.5,45 on Top Dims
0,0 to 0,100 on Top Dims
95,95 to 100,100 on Top Dims
100,100 to 95,95 on Top Dims
0,100 to 12.5,45 on Top Dims
0,0 to 100,0 on Top Dims
12.5,60 to 12.5,75 on Top Component Center
12.5,45 to 12.5,60 on Top Component Center

## Text inside footprints (layer, text, board x,y; h text height)
J200: Top Overlay "10" at 56.544,40.2 h1.02 r90; Top Overlay "1" at 56.544,22.8 h1.02 r90
J201: Top Overlay "10" at 34.544,40.2 h1.02 r90; Top Overlay "1" at 34.544,22.8 h1.02 r90
X201: Top Overlay "1" at 51.689,93.345 h1.02
X202: Top Overlay "1" at 12.38,5.5 h1.02